# Altium PCB PCB1.PcbDoc
Units mm, origin at the board's own origin, x right, y up, seen from the top; angles counter-clockwise.
Board outline 65 x 48 mm, 2 copper layers (Top Layer, Bottom Layer); 2 components, 0 nets, 54 pads, 0 vias.
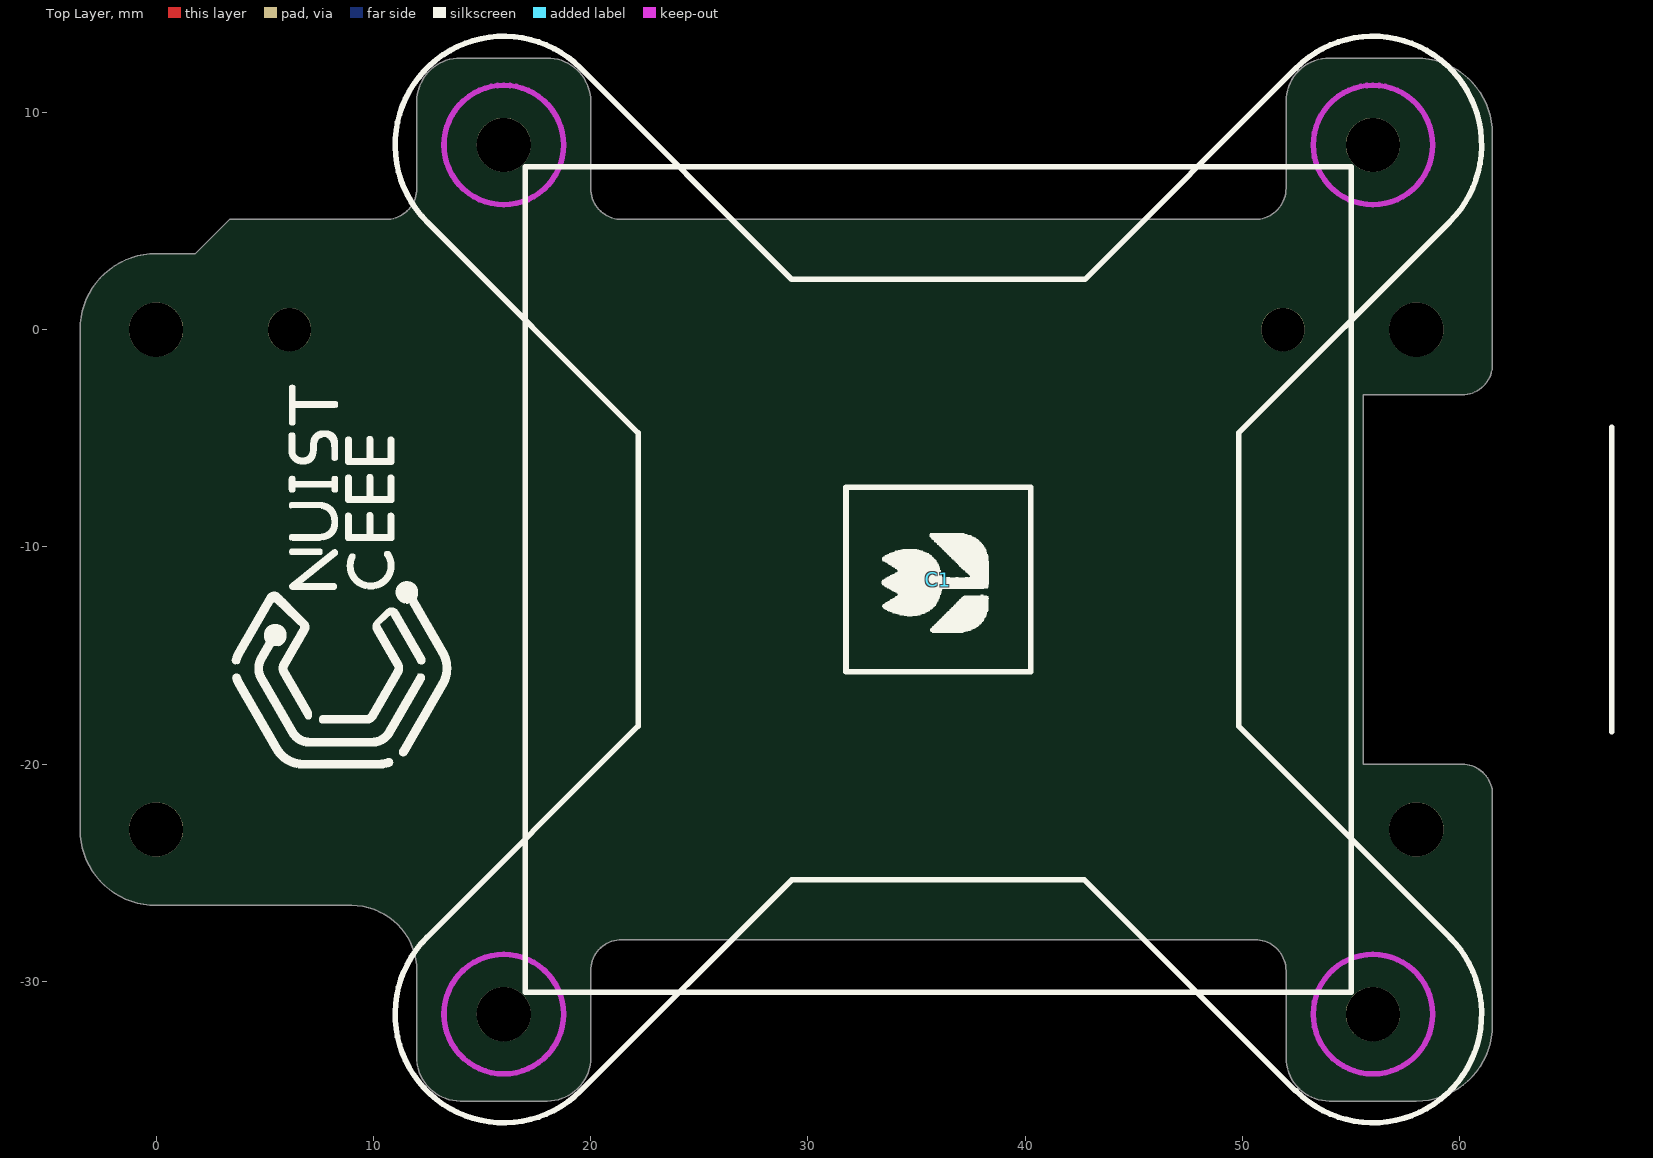
[diagram p0: Top Layer view]
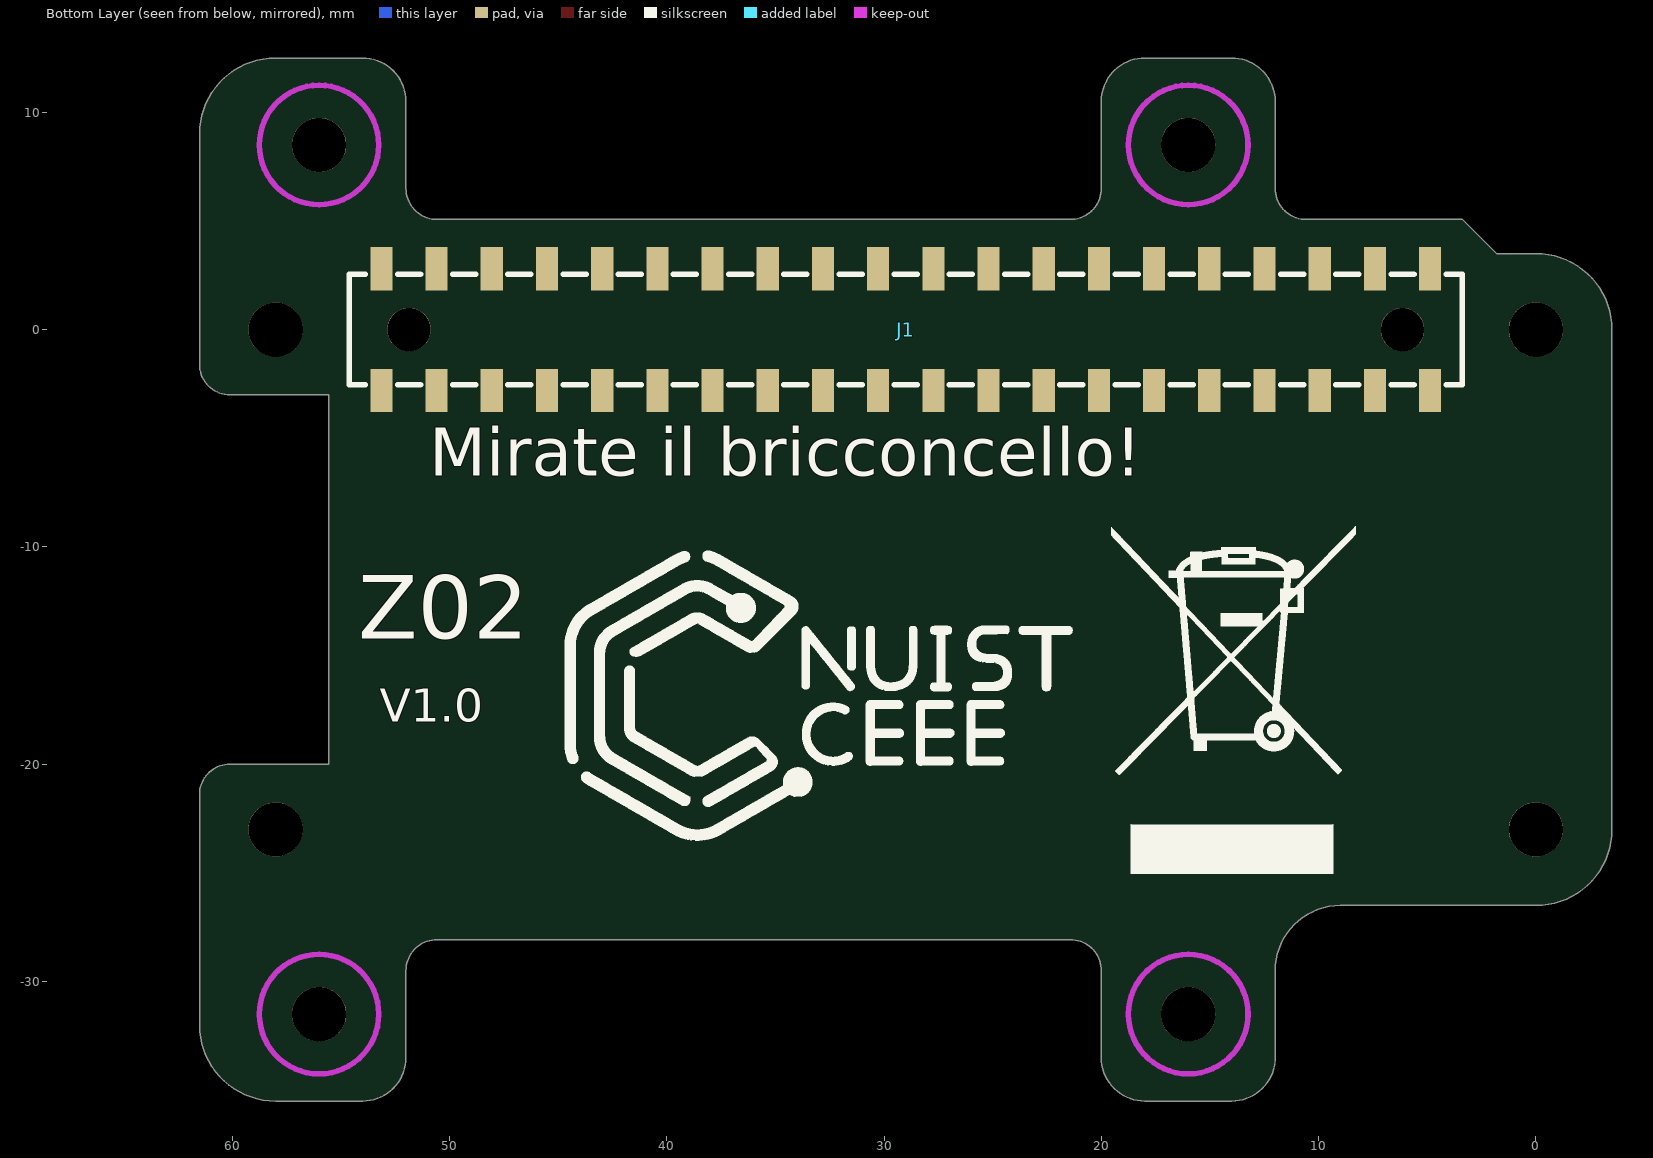
[diagram p1: Bottom Layer view, seen from below]

## Layer stack, top to bottom
Top Solder: solder mask 0.0102, Solder Resist, Dk 3.5
Top Layer: signal copper 0.0356
Dielectric 1: dielectric 0.32, FR-4, Dk 4.8
Bottom Layer: signal copper 0.0356
Bottom Solder: solder mask 0.0102, Solder Resist, Dk 3.5

## Board outline
0,-26.5 9,-26.5 cw(c9,-29.5) 12,-29.5 12,-33.5 ccw(c14,-33.5) 14,-35.5 18,-35.5 ccw(c18,-33.5) 20,-33.5 20,-29.5 cw(c21.429,-29.5) 21.429,-28.071 50.571,-28.071 cw(c50.571,-29.5) 52,-29.5 52,-33.5 ccw(c54,-33.5) 54,-35.5 58,-35.5 ccw(c58,-32) 61.5,-32 61.5,-21.394 ccw(c60.106,-21.394) 60.106,-20 55.543,-20 55.543,-3 60.106,-3 ccw(c60.106,-1.606) 61.5,-1.606 61.5,9 ccw(c58,9) 58,12.5 54,12.5 ccw(c54,10.5) 52,10.5 52,6.5 cw(c50.571,6.5) 50.571,5.071 21.429,5.071 cw(c21.429,6.5) 20,6.5 20,10.5 ccw(c18,10.5) 18,12.5 14,12.5 ccw(c14,10.5) 12,10.5 12,6.5 cw(c10.571,6.5) 10.571,5.071 3.381,5.071 1.81,3.5 0,3.5 ccw(c0,0) -3.5,0 -3.5,-23 ccw(c0,-23)

## Design rules (kind name [scope] priority, off if disabled: settings)
Clearance [All] p1: gap=0.254 ignorepadtopadclearanceinfootprint=FALSE except(0: Arc-Hole Track-Hole SMDPad-Hole THPad-Hole Via-Hole Fill-Hole Poly-Hole Region-Hole Text-Hole)
ComponentClearance [All] p1 off: gap=0.254 collisioncheckmode=3 verticalgap=0 showdistances=FALSE
PolygonConnect [All] p1: connectstyle=Relief reliefconductorwidth=0.254 reliefentries=4 polygonreliefangle="90 Angle" airgapwidth=0.254
RoutingVias [All] p1: holewidth=0.711 width=1.27 viastyle="Through Hole" minholewidth=0.711 minwidth=1.27 maxholewidth=0.711 maxwidth=1.27
SolderMaskExpansion [All] p1: expansion=0.102 istentingtop=FALSE
Width [All] p1: maxlimit=0.254 minlimit=0.254 preferedwidth=0.254
29 further rules are at their usual default settings.

## Components (designator, comment, footprint, x,y, rotation, side; value= is the part's Value field where it differs from the comment)
C1 "Camera" RPI-HQ-CAMERA-CONVERTER 36,-11.5 r0 top locked
J1 "RPI HEADER" "HEADER 2*20 SMD FRONT" 29,0 r180 bottom

## Footprints (in the part's own frame and the unit in brackets; to place one, negate y for a bottom-side part, rotate by r counter-clockwise, add the part's x,y. Pads: shape width x height; smd on the part's side, far side on the other; paste and mask are expansions set on the pad)
"HEADER 2*20 SMD FRONT" [mm] "https://item.szlcsc.com/2784386.html"
  rect 1.02x2 smd: 1(24.13,-2.8) 2(24.13,2.8) 3(21.59,-2.8) 4(21.59,2.8) 5(19.05,-2.8) 6(19.05,2.8) 7(16.51,-2.8) 8(16.51,2.8) 9(13.97,-2.8) 10(13.97,2.8) 11(11.43,-2.8) 12(11.43,2.8) 13(8.89,-2.8) 14(8.89,2.8) 15(6.35,-2.8) 16(6.35,2.8) 17(3.81,-2.8) 18(3.81,2.8) 19(1.27,-2.8) 20(1.27,2.8) 21(-1.27,-2.8) 22(-1.27,2.8) 23(-3.81,-2.8) 24(-3.81,2.8) 25(-6.35,-2.8) 26(-6.35,2.8) 27(-8.89,-2.8) 28(-8.89,2.8) 29(-11.43,-2.8) 30(-11.43,2.8) 31(-13.97,-2.8) 32(-13.97,2.8) 33(-16.51,-2.8) 34(-16.51,2.8) 35(-19.05,-2.8) 36(-19.05,2.8) 37(-21.59,-2.8) 38(-21.59,2.8) 39(-24.13,-2.8) 40(-24.13,2.8)
  round 2 hole 2 unplated: ""(-22.86,0) ""(22.86,0)
  silkscreen extent -25.6,-2.54 25.6,2.54
RPI-HQ-CAMERA-CONVERTER [mm]
  round 2.5 hole 2.5 unplated: ""(-20,-20) ""(-20,20) ""(20,-20) ""(20,20)
  round 2.5 on Top Overlay: ""(-15,-15) ""(-15,15) ""(15,-15) ""(15,15)
  Keep-Out Layer circle w0.254: c-20,-20 r2.75
  Keep-Out Layer circle w0.254: c-20,20 r2.75
  Keep-Out Layer circle w0.254: c20,20 r2.75
  Keep-Out Layer circle w0.254: c20,-20 r2.75
  silkscreen extent -25,-25 31,25

## Free pads (board coordinates)
  round 2.5 hole 2.5 unplated: ""(0,-23) ""(0,0) ""(58,-23) ""(58,0)

## Nets (pads, with @x,y where several pads share a name; then routed paths per layer and width w, separated by ;. In a path a pad name is that pad's centre, name@x,y a point inside that pad or via, vN(x,y) a via of type N, cw(c..) or ccw(c..) an arc to the next point about the centre after c; other vN are vias at no path point)
pads on no net: C1. J1. J1.1 J1.2 J1.3 J1.4 J1.5 J1.6 J1.7 J1.8 J1.9 J1.10 J1.11 J1.12 J1.13 J1.14 J1.15 J1.16 J1.17 J1.18 J1.19 J1.20 J1.21 J1.22 J1.23 J1.24 J1.25 J1.26 J1.27 J1.28 J1.29 J1.30 J1.31 J1.32 J1.33 J1.34 J1.35 J1.36 J1.37 J1.38 J1.39 J1.40

## Silkscreen, mask and mechanical layers (free items; w line width, h text height)
Top Overlay:
  drawing of 17 lines, arcs and shapes, not listed
Bottom Overlay:
  drawing of 18 lines, arcs and shapes, not listed
  text "Mirate il bricconcello!" at 50.927,-7.454 h3.8
  text "Z02" at 54.207,-15.182 h5
  text "V1.0" at 53.197,-18.038 h1.52
Top Solder:
  region: 0,-2.65 cw(c0,0) -2.65,0 cw(c0,0) 0,2.65 cw(c0,0) 2.65,0 cw(c0,0)
  region: -2.65,-23 ccw(c0,-23) 0,-25.65 ccw(c0,-23) 2.65,-23 ccw(c0,-23) 0,-20.35 ccw(c0,-23)
  region: 55.35,0 ccw(c58,0) 58,-2.65 ccw(c58,0) 60.65,0 ccw(c58,0) 58,2.65 ccw(c58,0)
  region: 55.35,-23 ccw(c58,-23) 58,-25.65 ccw(c58,-23) 60.65,-23 ccw(c58,-23) 58,-20.35 ccw(c58,-23)
Bottom Solder:
  region: 0,-2.65 cw(c0,0) -2.65,0 cw(c0,0) 0,2.65 cw(c0,0) 2.65,0 cw(c0,0)
  region: -2.65,-23 ccw(c0,-23) 0,-25.65 ccw(c0,-23) 2.65,-23 ccw(c0,-23) 0,-20.35 ccw(c0,-23)
  region: 55.35,0 ccw(c58,0) 58,-2.65 ccw(c58,0) 60.65,0 ccw(c58,0) 58,2.65 ccw(c58,0)
  region: 55.35,-23 ccw(c58,-23) 58,-25.65 ccw(c58,-23) 60.65,-23 ccw(c58,-23) 58,-20.35 ccw(c58,-23)
Mechanical 1:
  lines w0.254: -3.5,-23 ccw(c0,-23) 0,-26.5 2,-26.5 9,-26.5 cw(c9,-29.5) 12,-29.5 12,-33.5 ccw(c14,-33.5) 14,-35.5 18,-35.5 ccw(c18,-33.5) 20,-33.5 20,-29.5 cw(c21.429,-29.5) 21.429,-28.071 50.571,-28.071 cw(c50.571,-29.5) 52,-29.5 52,-33.5 ccw(c54,-33.5) 54,-35.5 58,-35.5 ccw(c58,-32) 61.5,-32 61.5,-23 61.5,-21.394 ccw(c60.106,-21.394) 60.106,-20 55.543,-20 55.543,-3 60.106,-3 ccw(c60.106,-1.606) 61.5,-1.606 61.5,9 ccw(c58,9) 58,12.5 54,12.5 ccw(c54,10.5) 52,10.5 52,6.5 cw(c50.571,6.5) 50.571,5.071 21.429,5.071 cw(c21.429,6.5) 20,6.5 20,10.5 ccw(c18,10.5) 18,12.5 14,12.5 ccw(c14,10.5) 12,10.5 12,6.5 cw(c10.571,6.5) 10.571,5.071 3.381,5.071 1.81,3.5 0,3.5 ccw(c0,0) -3.5,0 -3.5,-6.533 -3.5,-23